# Altium PCB AirPi_Sensor_1.1.PcbDoc
Units mil, origin at the board's own origin, x right, y up, seen from the top; angles counter-clockwise.
Board outline 2575 x 2225 mil, 2 copper layers (Top Layer, Bottom Layer); 63 components, 90 nets, 299 pads, 39 vias.
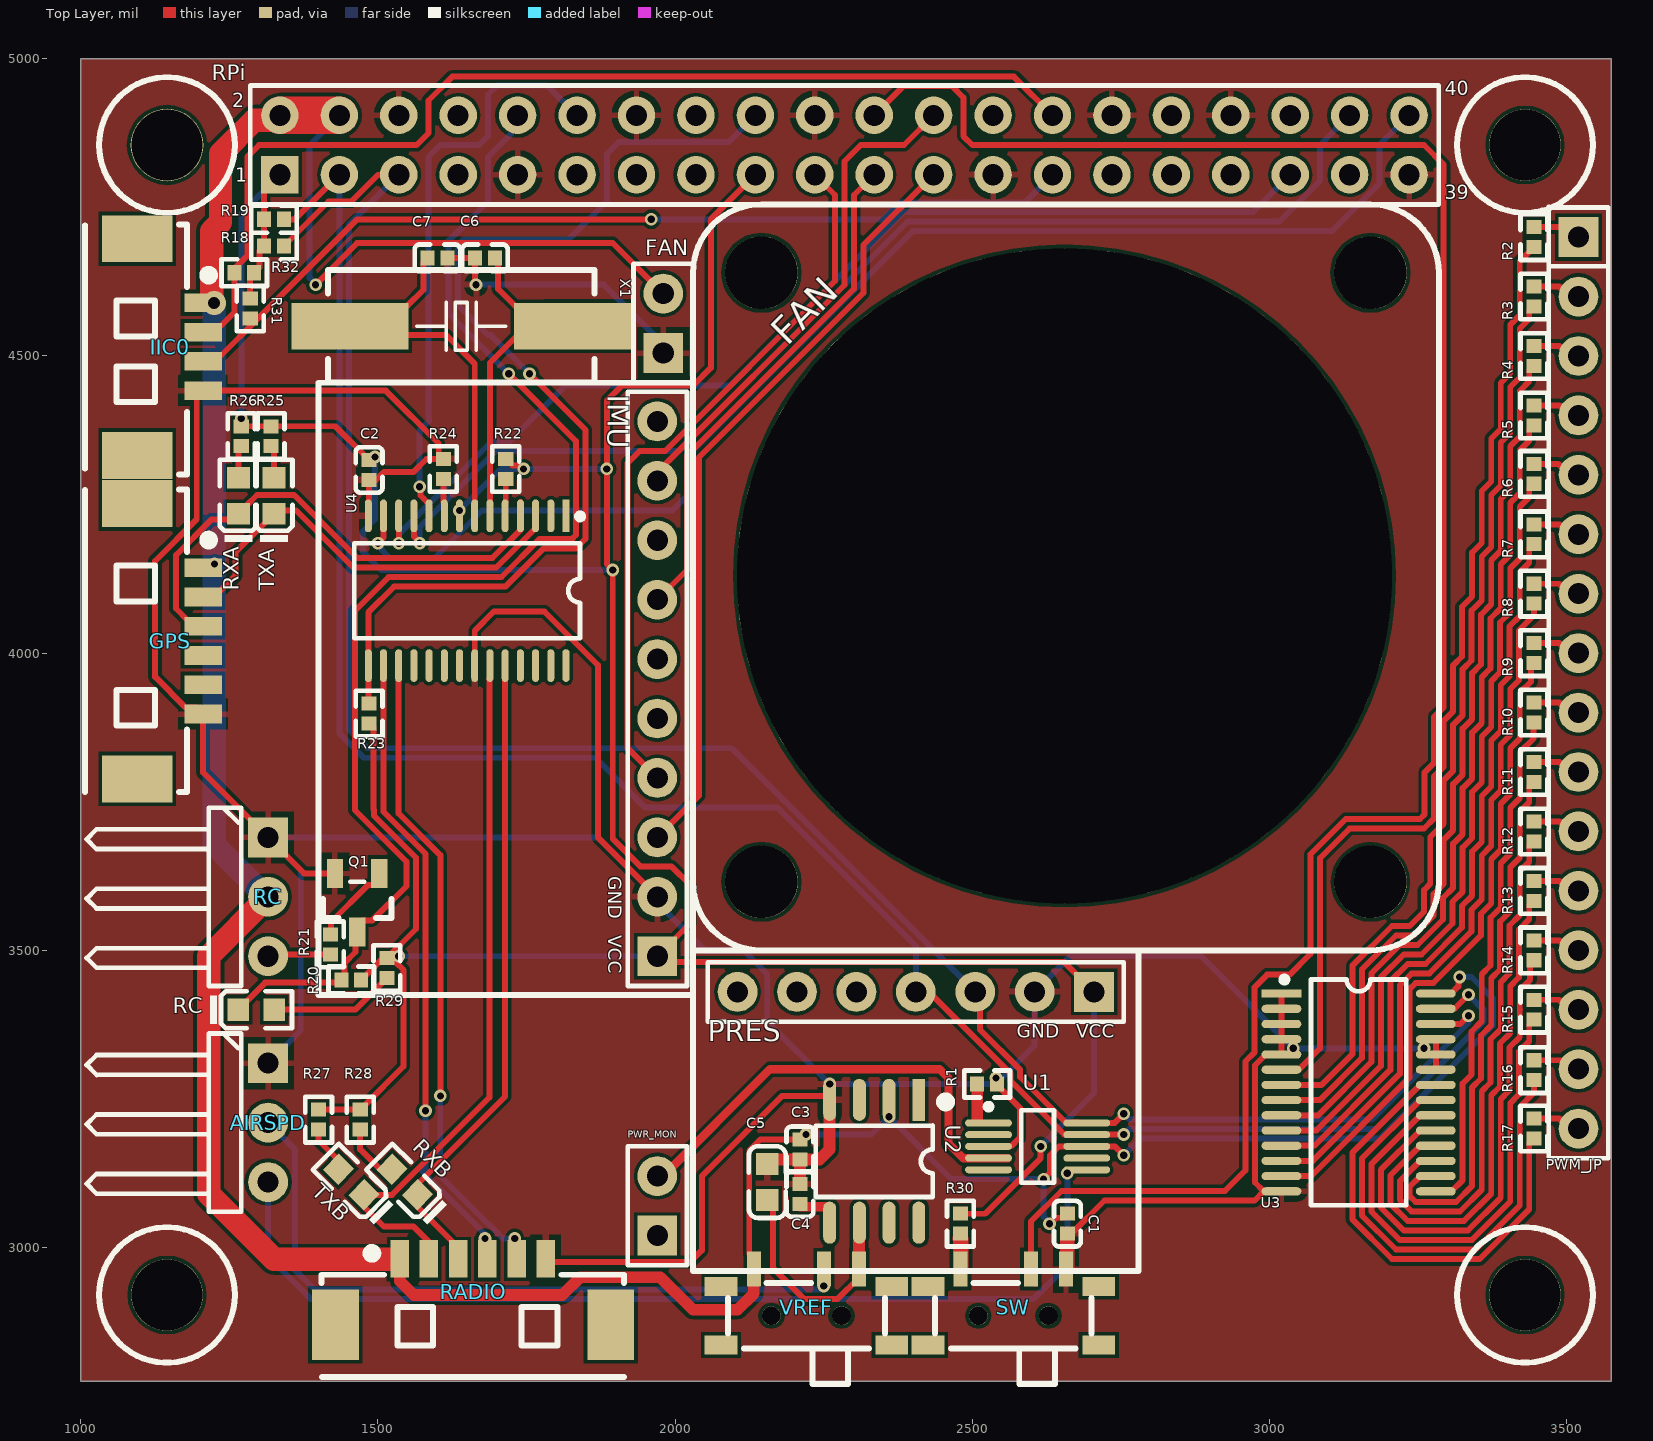
[diagram p0: Top Layer view]
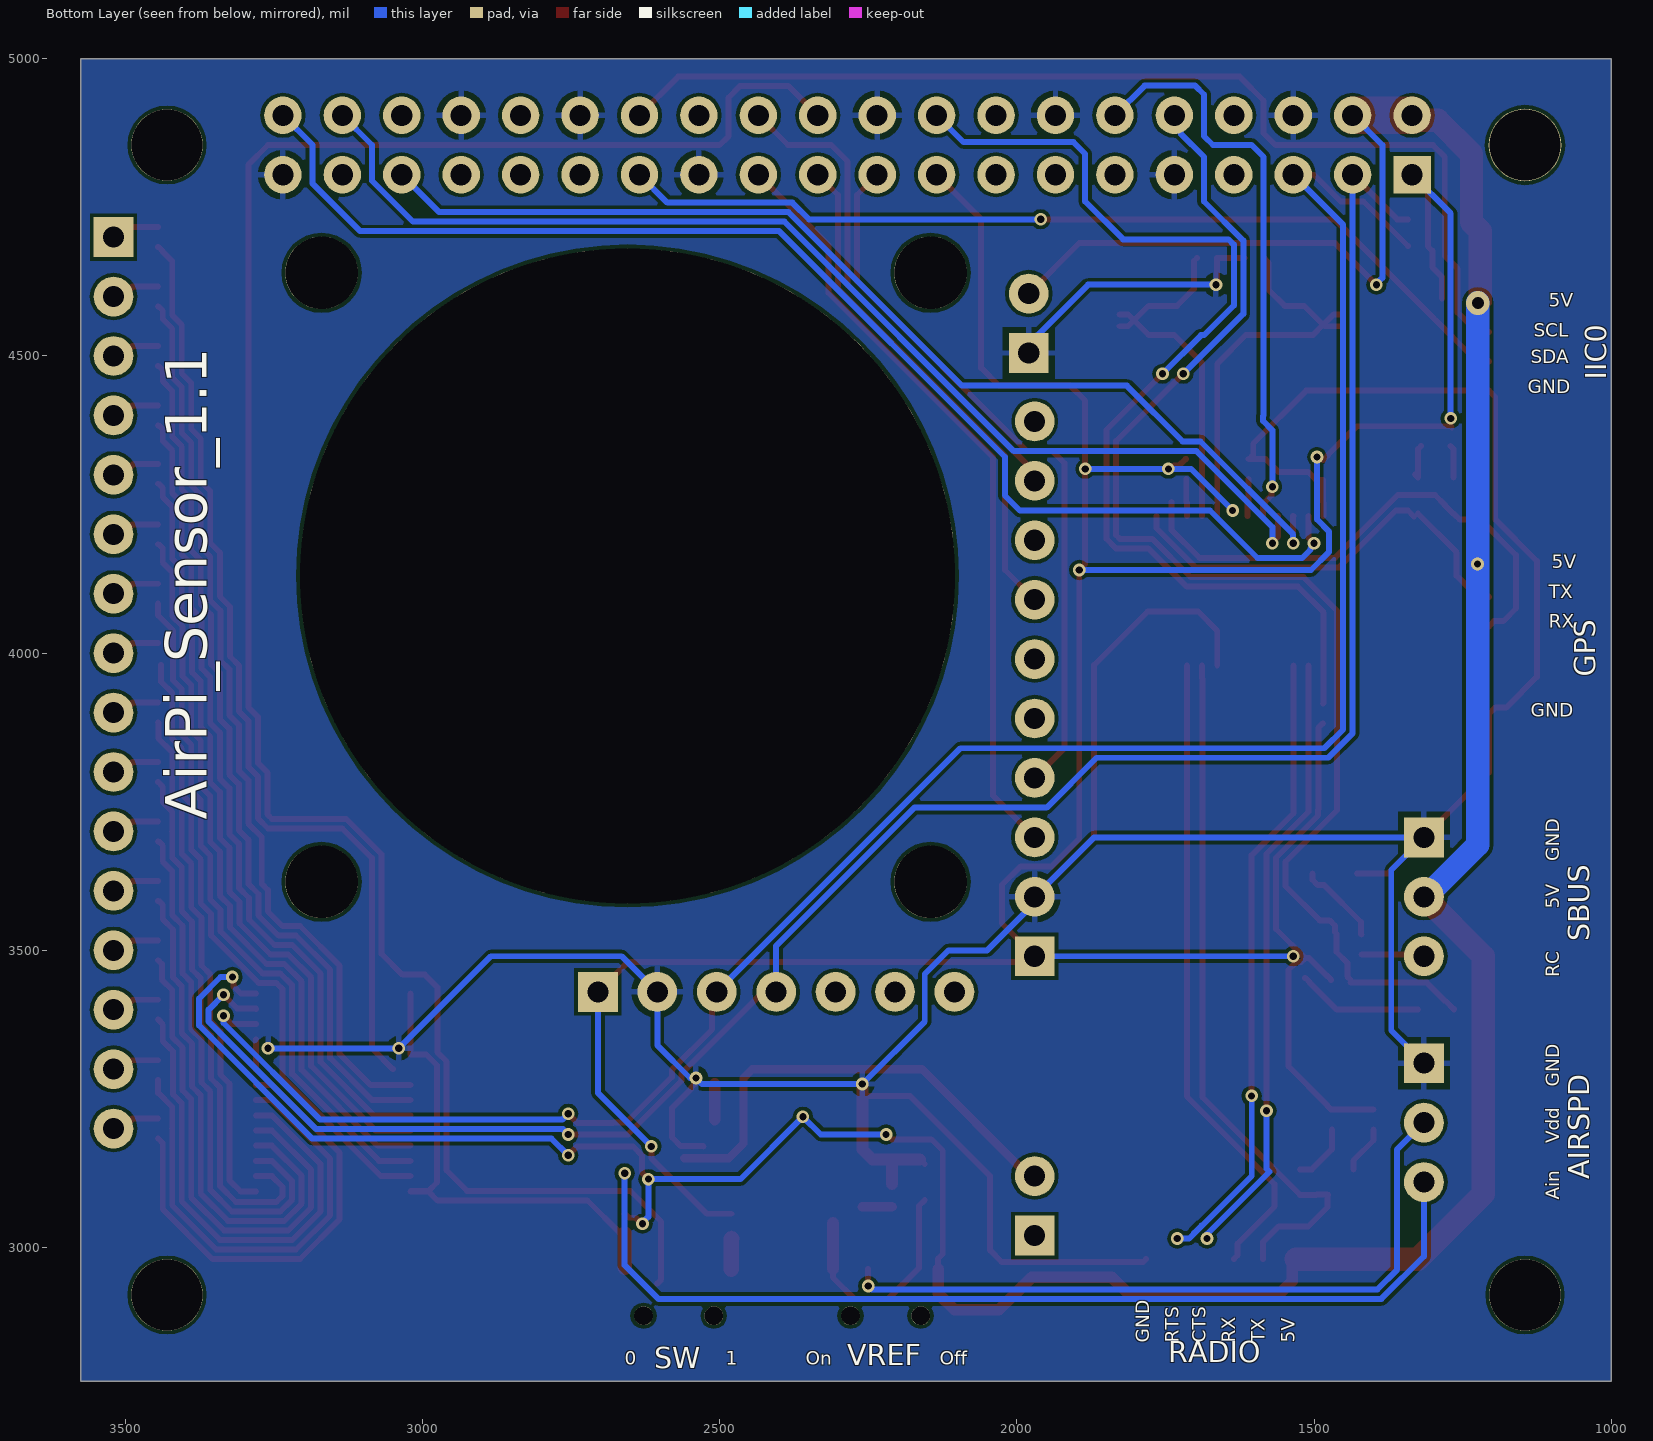
[diagram p1: Bottom Layer view, seen from below]

## Layer stack, top to bottom
Top Solder: solder mask 0.4, Solder Resist, Dk 3.5
Top Layer: signal copper 1.4
Dielectric 1: dielectric 12.6, FR-4, Dk 4.8
Bottom Layer: signal copper 1.4
Bottom Solder: solder mask 0.4, Solder Resist, Dk 3.5

## Board outline
1000,5000 3575,5000 3575,2775 1000,2775

## Design rules (kind name [scope] priority, off if disabled: settings)
Clearance [All] p1: gap=6 ignorepadtopadclearanceinfootprint=FALSE except(0: Arc-Hole Track-Hole SMDPad-Hole THPad-Hole Via-Hole Fill-Hole Poly-Hole Region-Hole Text-Hole)
PolygonConnect [All] p1: connectstyle=Relief reliefconductorwidth=10 reliefentries=4 polygonreliefangle="90 Angle" airgapwidth=10
RoutingVias [All] p1: holewidth=28 width=50 viastyle="Through Hole" minholewidth=28 minwidth=50 maxholewidth=28 maxwidth=50
SolderMaskExpansion [All] p1: expansion=4
Width [All] p1: maxlimit=393.7 minlimit=6 preferedwidth=10
30 further rules are at their usual default settings.

## Classes and differential pairs
net class PWM[0..15]: PWM0 PWM1 PWM2 PWM3 PWM4 PWM5 PWM6 PWM7 PWM8 PWM9 PWM10 PWM11 PWM12 PWM13 PWM14 PWM15
component class V-ref: C3 C4 C5 U2 VREF
component class UART_EXT: C2 C6 C7 GPS R22 R23 R24 R25 R26 R27 R28 RADIO RXA TXA TXB U4 X1
component class RC_Inventer: Q1 R20 R21 R29 RC
component class PWM: R2 R3 R4 R5 R6 R7 R8 R9 R10 R11 R12 R13 R14 R15 R16 R17 U3
component class Pressure: PRES
component class PiHAT_Sensor: IIC0 PWM_JP R18 R19 R30 R31 R32 RPi SW
component class IMU: IMU
component class "from pwr": PWR_MON
component class Airspeed0: AIRSPD
component class ADC: C1 R1 U1

## Components (designator, comment, footprint, x,y, rotation, side; value= is the part's Value field where it differs from the comment)
AIRSPD "HDR-1X3" HDR2.54-WI-3P 1315,3210 r270 top locked (schematic designator JP_AIRSPD)
C1 "100nF (104) 10% 16V" 0402_C 2660,3040 r270 top locked
C2 "100nF (104) 10% 16V" 0402_C 1485,4308.27 r270 top
C3 "1.0uF (105) 10% 25V" 0402_C 2210,3165 r90 top locked
C4 "1.0uF (105) 10% 25V" 0402_C 2210,3090 r90 top locked
C5 "22uF (226) 20% 6.3V" 0603_C 2155,3110 r270 top locked
C6 "18pF (180) 5% 50V" 0402_C 1680,4665 r0 top
C7 "18pF (180) 5% 50V" 0402_C 1600,4665 r180 top
FAN "HDR-1X2" HDR2.54-LI-2P 1980,4555 r90 top locked (schematic designator JP_FAN)
GPS "HDR-1X6" "MX 1.25-WS-6P" 1095,4020 r270 top locked (schematic designator JP_GPS)
IIC0 "HDR-1X4" "MX 1.25-WS-4P" 1095,4515 r270 top locked (schematic designator JP_IIC0)
IMU "HDR-1X10" HDR2.54-LI-10P 1970,3940 r90 top locked (schematic designator JP_IMU)
PRES "HDR-1X7" HDR2.54-LI-7P 2405,3430 r180 top locked (schematic designator JP_PRES)
PWM_JP "HDR-1X16" HDR2.54-LI-16P 3520,3950 r270 top locked (schematic designator JP_PWM_JP)
PWR_MON "HDR-1X2" HDR2.54-LI-2P 1970,3070 r90 top locked (schematic designator JP_PWR_MON)
Q1 "SS8050 Y1" SOT-23(SOT-23-3) 1465,3580 r90 top locked
R1 "10KΩ (1002) ±1%" 0402_R 2525,3275 r0 top locked
R2 "220Ω (2200) ±1%" 0402_R 3445,4700 r270 top locked
R3 "220Ω (2200) ±1%" 0402_R 3445,4600 r270 top locked
R4 "220Ω (2200) ±1%" 0402_R 3445,4500 r270 top locked
R5 "220Ω (2200) ±1%" 0402_R 3445,4400 r270 top locked
R6 "220Ω (2200) ±1%" 0402_R 3445,4301.73 r270 top locked
R7 "220Ω (2200) ±1%" 0402_R 3445,4200 r270 top locked
R8 "220Ω (2200) ±1%" 0402_R 3445,4100 r270 top locked
R9 "220Ω (2200) ±1%" 0402_R 3445,4000 r270 top locked
R10 "220Ω (2200) ±1%" 0402_R 3445,3900 r270 top locked
R11 "220Ω (2200) ±1%" 0402_R 3445,3800 r270 top locked
R12 "220Ω (2200) ±1%" 0402_R 3445,3700 r270 top locked
R13 "220Ω (2200) ±1%" 0402_R 3445,3600 r270 top locked
R14 "220Ω (2200) ±1%" 0402_R 3445,3500 r270 top locked
R15 "220Ω (2200) ±1%" 0402_R 3445,3400 r270 top locked
R16 "220Ω (2200) ±1%" 0402_R 3445,3298.27 r270 top locked
R17 "220Ω (2200) ±1%" 0402_R 3445,3200 r270 top locked
R18 "10KΩ (1002) ±1%" 0402_R 1325,4685 r0 top locked
R19 "10KΩ (1002) ±1%" 0402_R 1325,4730 r0 top locked
R20 "10KΩ (1002) ±1%" 0402_R 1455,3450 r0 top locked
R21 "1KΩ (1001) ±1%" 0402_R 1420,3510 r90 top locked
R22 "10KΩ (1002) ±1%" 0402_R 1715,4310 r270 top
R23 "1KΩ (1001) ±1%" 0402_R 1485,3898.27 r90 top
R24 "1KΩ (1001) ±1%" 0402_R 1610,4310 r270 top locked
R25 "470Ω (4700) ±1%" 0402_R 1320,4365 r270 top
R26 "1KΩ (1001) ±1%" 0402_R 1270,4365 r270 top
R27 "470Ω (4700) ±1%" 0402_R 1400,3215 r270 top
R28 "1KΩ (1001) ±1%" 0402_R 1470,3215 r270 top
R29 "1KΩ (1001) ±1%" 0402_R 1515,3470 r270 top locked
R30 "10KΩ (1002) ±1%" 0402_R 2480,3040 r90 top locked
R31 "3.3KΩ (3301) ±1%" 0402_R 1285,4580 r90 top locked
R32 "3.3KΩ (3301) ±1%" 0402_R 1275,4640 r180 top locked
RADIO "HDR-1X6" "MX 1.25-WS-6P" 1660,2870 r0 top locked (schematic designator JP_RADIO)
RC "HDR-1X3" HDR2.54-WI-3P 1315,3590 r270 top locked (schematic designator JP_RC)
RC "绿灯 0603" 0603_LED_S1 1295,3400 r0 top (schematic designator D5)
RPi "Header 2X11" HDR2.54-LI-2x20P 2285,4855 r0 top locked (schematic designator JP_RPi)
RXA "绿灯 0603" 0603_LED_S1 1265,4265 r90 top (schematic designator D2)
RXB "绿灯 0603" 0603_LED_S1 1545,3110 r135 top (schematic designator D4)
SW "SS-12F23" MSK-12C01-07 2569.06,2885 r0 top locked (schematic designator S1)
TXA "蓝灯 0603" 0603_LED_S1 1325,4265 r90 top (schematic designator D1)
TXB "蓝灯 0603" 0603_LED_S1 1455,3110 r135 top (schematic designator D3)
U1 "ADS1115IDGSR" TI-DGS10_M 2610,3170 r0 top locked
U2 "REF5040" SOP8_N 2335,3145 r270 top locked
U3 "PCA9685" TSSOP28_M 3150.08,3260.75 r0 top locked
U4 "SC16IS752IPW" TSSOP28_n 1650,4105 r270 top locked
VREF "SS-12F23" MSK-12C01-07 2220.94,2885 r0 top locked (schematic designator S2)
X1 "14.7456MHz" "OSC HC-49SMD" 1640,4550 r180 top locked

## Footprints (in the part's own frame and the unit in brackets; to place one, negate y for a bottom-side part, rotate by r counter-clockwise, add the part's x,y. Pads: shape width x height; smd on the part's side, far side on the other; paste and mask are expansions set on the pad)
0402_C [mm]
  rect 0.6x0.65 smd mask+0.051: 1(-0.425,0) 2(0.425,0)
  silkscreen extent -0.97,-0.58 0.98,0.58, body extent -0.48,-0.3 0.52,0.3, height 0.2
0402_R [mm]
  rect 0.6x0.65 smd mask+0.051: 1(-0.425,0) 2(0.425,0)
  silkscreen extent -0.97,-0.58 0.98,0.58, body extent -0.57,-0.27 0.58,0.28, height 0.41
0603_C [mm]
  rect 0.93x0.98 smd: 1(-0.77,0) 2(0.77,0)
  silkscreen extent -1.53,-0.79 1.54,0.79, body extent -0.8,-0.4 0.8,0.4, height 0.3
0603_LED_S1 [mm]
  rect 0.93x0.98 smd: A(0.77,0) K(-0.77,0)
  silkscreen extent -1.98,-0.79 1.54,0.79, body extent -0.8,-0.4 0.8,0.4, height 0.6
HDR2.54-LI-2P [mm] "排针，2脚"
  rect 1.7x1.7 hole 0.9: 1(-1.27,0)
  round 1.7 hole 0.9: 2(1.27,0)
  silkscreen extent -2.54,-1.27 2.54,1.27, body extent -2.54,-1.27 2.54,1.27, height 8.5
HDR2.54-LI-2x20P [mm] "双排排针，20x2脚"
  rect 1.6x1.6 hole 0.9: 1(-24.13,-1.27)
  round 1.6 hole 0.9: 2(-24.13,1.27) 3(-21.59,-1.27) 4(-21.59,1.27) 5(-19.05,-1.27) 6(-19.05,1.27) 7(-16.51,-1.27) 8(-16.51,1.27) 9(-13.97,-1.27) 10(-13.97,1.27) 11(-11.43,-1.27) 12(-11.43,1.27) 13(-8.89,-1.27) 14(-8.89,1.27) 15(-6.35,-1.27) 16(-6.35,1.27) 17(-3.81,-1.27) 18(-3.81,1.27) 19(-1.27,-1.27) 20(-1.27,1.27) 21(1.27,-1.27) 22(1.27,1.27) 23(3.81,-1.27) 24(3.81,1.27) 25(6.35,-1.27) 26(6.35,1.27) 27(8.89,-1.27) 28(8.89,1.27) 29(11.43,-1.27) 30(11.43,1.27) 31(13.97,-1.27) 32(13.97,1.27) 33(16.51,-1.27) 34(16.51,1.27) 35(19.05,-1.27) 36(19.05,1.27) 37(21.59,-1.27) 38(21.59,1.27) 39(24.13,-1.27) 40(24.13,1.27)
  silkscreen extent -25.4,-2.54 25.4,2.54, body extent -25.4,-2.54 25.4,2.54, height 8.5
HDR2.54-LI-7P [mm] "排针，8脚"
  rect 1.7x1.7 hole 0.9: 1(-7.62,0)
  round 1.7 hole 0.9: 2(-5.08,0) 3(-2.54,0) 4(0,0) 5(2.54,0) 6(5.08,0) 7(7.62,0)
  silkscreen extent -8.89,-1.27 8.89,1.27, body extent -8.89,-1.27 8.89,1.27, height 8.5
HDR2.54-LI-10P [mm] "排针，10脚"
  rect 1.7x1.7 hole 0.9: 1(-11.43,0)
  round 1.7 hole 0.9: 2(-8.89,0) 3(-6.35,0) 4(-3.81,0) 5(-1.27,0) 6(1.27,0) 7(3.81,0) 8(6.35,0) 9(8.89,0) 10(11.43,0)
  silkscreen extent -12.7,-1.27 12.7,1.27, body extent -12.7,-1.27 12.7,1.27, height 8.5
HDR2.54-LI-16P [mm] "排针，16脚"
  rect 1.7x1.7 hole 0.9: 1(-19.05,0)
  round 1.7 hole 0.9: 2(-16.51,0) 3(-13.97,0) 4(-11.43,0) 5(-8.89,0) 6(-6.35,0) 7(-3.81,0) 8(-1.27,0) 9(1.27,0) 10(3.81,0) 11(6.35,0) 12(8.89,0) 13(11.43,0) 14(13.97,0) 15(16.51,0) 16(19.05,0)
  silkscreen extent -20.32,-1.27 20.32,1.27, body extent -20.32,-1.27 20.32,1.27, height 8.5
HDR2.54-WI-3P [mm] "弯脚排针，3脚"
  rect 1.7x1.7 hole 0.9: 1(-2.54,0)
  round 1.7 hole 0.9: 2(0,0) 3(2.54,0)
  silkscreen extent -3.81,-7.76 3.81,-1.14, body extent -3.81,-7.77 3.81,1.27, height 4.85
MSK-12C01-07 [mm] "6.7*2.8*1.5mm(长宽高）"
  rect 1.4x0.8 smd: 0(-3.65,-1.25) 0(-3.65,1.25) 0(3.65,-1.25) 0(3.65,1.25)
  rect 0.6x1.5 smd: 1(-2.25,1.996) 2(0.75,1.996) 3(2.25,1.996)
  round 0.8 hole 0.8: " "(-1.5,0) " "(1.5,0)
  silkscreen extent -3.35,-2.92 3.35,1.4, body extent -3.92,-2.9 3.92,2.4, height 1.5
"MX 1.25-WS-4P" [mm] "长：10.15mm，宽：4.2mm，高：3.4mm"
  rect 2x3 smd: 0(-4.632,0) 0(4.632,0)
  rect 0.8x1.6 smd: 1(-1.889,2.811) 2(-0.639,2.811) 3(0.611,2.811) 4(1.861,2.811)
  silkscreen extent -5.23,-2.23 5.45,3.25, body extent -5.07,-2.1 5.07,3.09, height 3.4
"MX 1.25-WS-6P" [mm] "长：12.65mm，宽：4.2mm，高：3.4mm"
  rect 2x3 smd: 0(-5.882,0) 0(5.882,0)
  rect 0.8x1.6 smd: 1(-3.139,2.811) 2(-1.889,2.811) 3(-0.639,2.811) 4(0.611,2.811) 5(1.861,2.811) 6(3.111,2.811)
  silkscreen extent -6.48,-2.23 6.45,3.25, body extent -6.32,-2.1 6.32,3.09, height 3.4
"OSC HC-49SMD" [mm]
  rect 5x2 smd: 1(-4.75,0) 2(4.75,0)
  silkscreen extent -5.7,-2.4 5.7,2.4, body extent -6.5,-2.32 6.5,2.33, height 4.63
SOP8_N [mm] "5*6*1.8mm（长宽高）"
  rect 1.8x0.55 smd: 1(-2.625,1.905)
  oval 1.8x0.55 smd: 2(-2.625,0.635) 3(-2.625,-0.635) 4(-2.625,-1.905) 5(2.625,-1.905) 6(2.625,-0.635) 7(2.625,0.635) 8(2.625,1.905)
  silkscreen extent -2.69,-2.5 1.52,3.2, body extent -3,-2.5 3,2.5, height 1.9
SOT-23(SOT-23-3) [mm]
  rect 1.25x0.7 smd: 1(1.25,-0.95) 2(1.25,0.95) 3(-1.25,0)
  silkscreen extent -0.65,-1.46 0.9,1.46, body extent -1.5,-1.5 1.5,1.5, height 1.3
TI-DGS10_M [mm] "SOP, 10-Leads, Body 3x3mm, Pitch 0.5mm, IPC Low Density"
  oval 2x0.3 smd: 1(-2.1,1) 2(-2.1,0.5) 3(-2.1,0) 4(-2.1,-0.5) 5(-2.1,-1) 6(2.1,-1) 7(2.1,-0.5) 8(2.1,0) 9(2.1,0.5) 10(2.1,1)
  silkscreen extent -2.22,-1.55 0.7,1.82, body extent -1.55,-1.55 1.55,1.55, height 1.1
TSSOP28_M [mm] "9.8*6.4*1mm（长宽高）"
  rect 1.7x0.35 smd: 1(-3.3,4.225)
  oval 1.7x0.35 smd: 2(-3.3,3.575) 3(-3.3,2.925) 4(-3.3,2.275) 5(-3.3,1.625) 6(-3.3,0.975) 7(-3.3,0.325) 8(-3.3,-0.325) 9(-3.3,-0.975) 10(-3.3,-1.625) 11(-3.3,-2.275) 12(-3.3,-2.925) 13(-3.3,-3.575) 14(-3.3,-4.225) 15(3.3,-4.225) 16(3.3,-3.575) 17(3.3,-2.925) 18(3.3,-2.275) 19(3.3,-1.625) 20(3.3,-0.975) 21(3.3,-0.325) 22(3.3,0.325) 23(3.3,0.975) 24(3.3,1.625) 25(3.3,2.275) 26(3.3,2.925) 27(3.3,3.575) 28(3.3,4.225)
  silkscreen extent -3.3,-4.83 2.03,4.96, body extent -3.2,-4.9 3.2,4.9, height 1.03
TSSOP28_n [mm] "9.8*6.4*1mm（长宽高）"
  rect 1.4x0.3 smd: 1(-3.2,4.225)
  oval 1.4x0.3 smd: 2(-3.2,3.575) 3(-3.2,2.925) 4(-3.2,2.275) 5(-3.2,1.625) 6(-3.2,0.975) 7(-3.2,0.325) 8(-3.2,-0.325) 9(-3.2,-0.975) 10(-3.2,-1.625) 11(-3.2,-2.275) 12(-3.2,-2.925) 13(-3.2,-3.575) 14(-3.2,-4.225) 15(3.2,-4.225) 16(3.2,-3.575) 17(3.2,-2.925) 18(3.2,-2.275) 19(3.2,-1.625) 20(3.2,-0.975) 21(3.2,-0.325) 22(3.2,0.325) 23(3.2,0.975) 24(3.2,1.625) 25(3.2,2.275) 26(3.2,2.925) 27(3.2,3.575) 28(3.2,4.225)
  silkscreen extent -3.3,-4.83 2.03,4.96, body extent -3.2,-4.9 3.2,4.9, height 1.03

## Part data
AIRSPD RC: library part "Header 3", "3P接插件"
C1 C2: library part "0402 100nF (104) 10% 16V", "贴片电容", Package=0402, SuppliersPartNumber=C1525, ComponentLink1Description=供?, ComponentLink1URL=http://www.szlcsc.com/product/details_1877.html, Supplier=LC
C3 C4: library part "0402 1.0uF (105) 10% 25V", "贴片电容", Package=0402, SuppliersPartNumber=C52923, ComponentLink1Description=供?, ComponentLink1URL=http://www.szlcsc.com/product/details_53938.html, Supplier=LC
C5: library part "0603 22uF (226) 20% 6.3V", "贴片电容", Package=0603, SuppliersPartNumber=C59461, ComponentLink1Description=供?, ComponentLink1URL=http://www.szlcsc.com/product/details_60514.html, Supplier=LC
C6 C7: library part "0402 18pF (180) 5% 50V", "贴片电容", Package=0402, SuppliersPartNumber=C1549, ComponentLink1Description=供?, ComponentLink1URL=http://www.szlcsc.com/product/details_1901.html, Supplier=LC
FAN PWR_MON: library part "Header 2", "2P接插件"
GPS RADIO: library part "Header 6", "6P接插件"
IIC0: library part "Header 4", "4P接插件"
IMU: library part "Header 10", "10P接插件"
PRES: library part "Header 7", "7P接插件"
PWM_JP: library part "Header 16", "16P接插件"
Q1: library part "SOT-23 SS8050 Y1", "三极管", Package=SOT-23, SuppliersPartNumber=C2150, ComponentLink1Description=供?, ComponentLink1URL=http://www.szlcsc.com/product/details_2507.html, Supplier=LC
R1 R18 R19 R20 R22 R30: library part "0402 10KΩ (1002) 1%", "贴片电阻", Package=0402, SuppliersPartNumber=C25744, ComponentLink1Description=供?, ComponentLink1URL=http://www.szlcsc.com/product/details_26487.html, Supplier=LC
R2 R3 R4 R5 R6 R7 R8 R9 R10 R11 R12 R13 R14 R15 R16 R17: library part "0402 220Ω (2200) 1%", "贴片电阻", Package=0402, SuppliersPartNumber=C25091, ComponentLink1Description=供?, ComponentLink1URL=http://www.szlcsc.com/product/details_25834.html, Supplier=LC
R21 R23 R24 R26 R28 R29: library part "0402 1KΩ (1001) 1%", "贴片电阻", Package=0402, SuppliersPartNumber=C11702, ComponentLink1Description=供?, ComponentLink1URL=http://www.szlcsc.com/product/details_12256.html, Supplier=LC
R25 R27: library part "0402 470Ω (4700) 1%", "贴片电阻", Package=0402, SuppliersPartNumber=C25117, ComponentLink1Description=供?, ComponentLink1URL=http://www.szlcsc.com/product/details_25860.html, Supplier=LC
R31 R32: library part "0402 3.3KΩ (3301) 1%", "贴片电阻", Package=0402, SuppliersPartNumber=C25890, ComponentLink1Description=供?, ComponentLink1URL=http://www.szlcsc.com/product/details_26633.html, Supplier=LC
RC RXA RXB: library part "0603 绿灯", "发光二极管", Package=0603, SuppliersPartNumber=C72043, ComponentLink1Description=供?, ComponentLink1URL=http://www.szlcsc.com/product/details_73152.html, Supplier=LC
RPi: library part "Header 20X2", "20*2P接插件"
SW VREF: library part SSW-1P, "1路波动开关"